# Altium PCB SEG_pressure gauge_don  V2.3.PcbDoc (part 3 of 4) (continued)
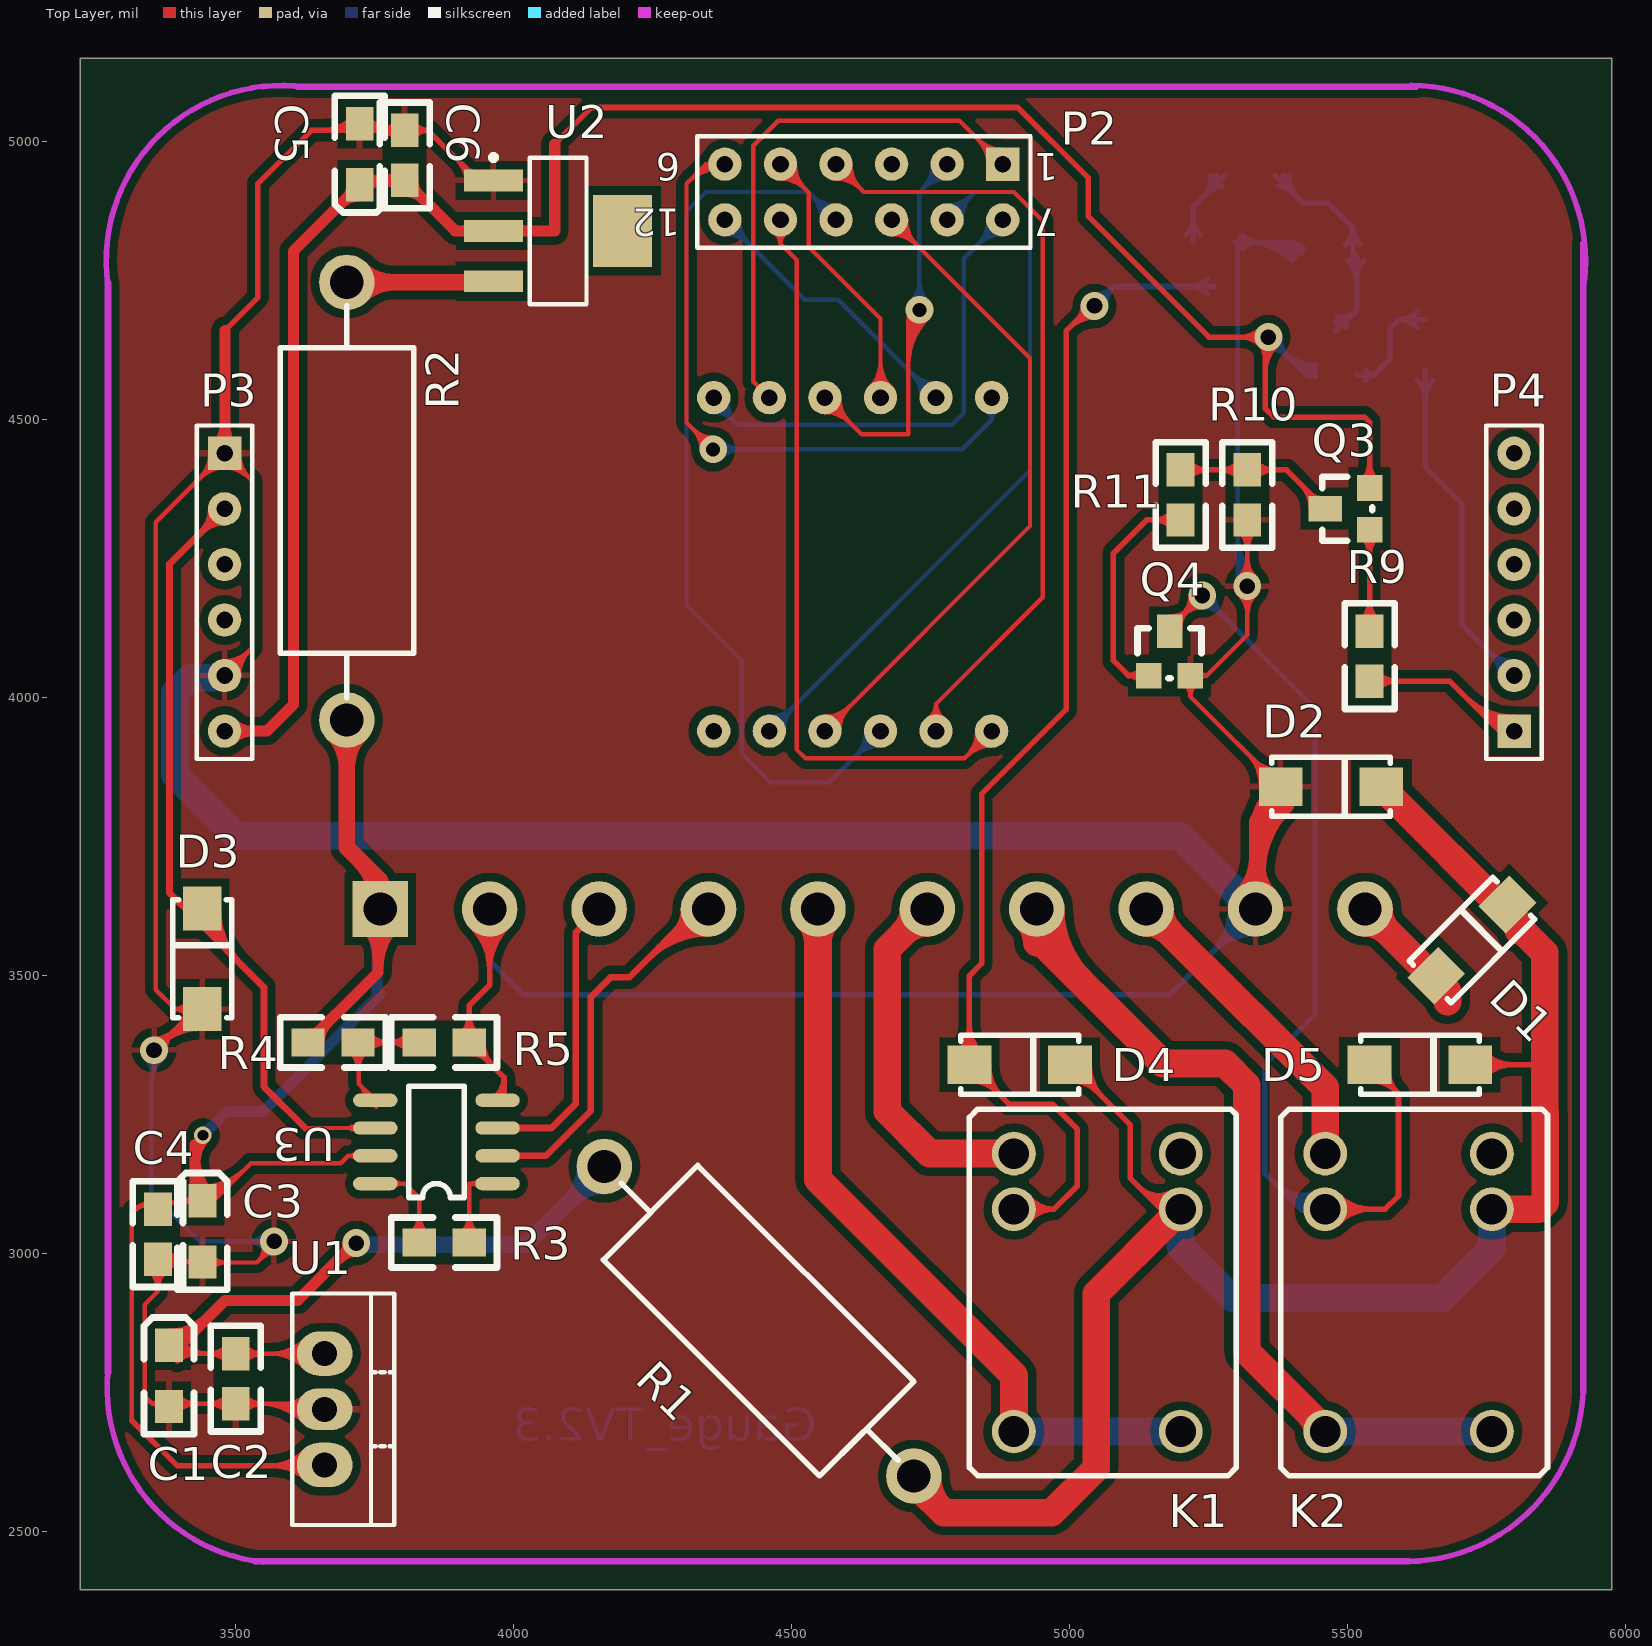
[diagram p0: Top Layer view]
## Nets (pads, with @x,y where several pads share a name; then routed paths per layer and width w, separated by ;. In a path a pad name is that pad's centre, name@x,y a point inside that pad or via, vN(x,y) a via of type N, cw(c..) or ccw(c..) an arc to the next point about the centre after c; other vN are vias at no path point) (continued)
NetR3_2: R3.2 U3.8 | length 966.1
  Top Layer w8: U3.8@3751,3126 3804,3126 3830,3100 R3.2@3830,3020 ; U3.8@3784.66,3120.34 cw(c3798.31,3106.69) 3798.31,3126 ; U3.8@3784.66,3120.34 cw(c3798.31,3106.69) 3798.31,3126 ; U3.8@3784.66,3120.34 cw(c3798.31,3106.69) 3798.31,3126 ; U3.8@3784.66,3120.34 cw(c3798.31,3106.69) 3798.31,3126 ; U3.8@3784.66,3120.34 cw(c3798.31,3106.69) 3798.31,3126 ; U3.8@3784.66,3131.66 ccw(c3798.31,3145.31) 3798.31,3126 ; U3.8@3784.66,3131.66 ccw(c3798.31,3145.31) 3798.31,3126 ; U3.8@3784.66,3131.66 ccw(c3798.31,3145.31) 3798.31,3126 ; U3.8@3784.66,3131.66 ccw(c3798.31,3145.31) 3798.31,3126 ; U3.8@3784.66,3131.66 ccw(c3798.31,3145.31) 3798.31,3126 ; R3.2@3815.15,3034.85 ccw(c3779.3,3070.7) 3830,3070.7 ; R3.2@3815.15,3034.85 ccw(c3779.3,3070.7) 3830,3070.7 ; R3.2@3815.15,3034.85 ccw(c3779.3,3070.7) 3830,3070.7 ; R3.2@3815.15,3034.85 ccw(c3779.3,3070.7) 3830,3070.7 ; R3.2@3815.15,3034.85 ccw(c3779.3,3070.7) 3830,3070.7 ; R3.2@3820.81,3029.19 ccw(c3798.62,3051.38) 3830,3051.38 ; R3.2@3820.81,3029.19 ccw(c3798.62,3051.38) 3830,3051.38 ; R3.2@3820.81,3029.19 ccw(c3798.62,3051.38) 3830,3051.38 ; R3.2@3820.81,3029.19 ccw(c3798.62,3051.38) 3830,3051.38 ; R3.2@3820.81,3029.19 ccw(c3798.62,3051.38) 3830,3051.38 ; 3830,3051.38 ccw(c3861.38,3051.38) R3.2@3839.19,3029.19 ; 3830,3051.38 ccw(c3861.38,3051.38) R3.2@3839.19,3029.19 ; 3830,3051.38 ccw(c3861.38,3051.38) R3.2@3839.19,3029.19 ; 3830,3051.38 ccw(c3861.38,3051.38) R3.2@3839.19,3029.19 ; 3830,3051.38 ccw(c3861.38,3051.38) R3.2@3839.19,3029.19 ; 3830,3070.7 ccw(c3880.7,3070.7) R3.2@3844.85,3034.85 ; 3830,3070.7 ccw(c3880.7,3070.7) R3.2@3844.85,3034.85 ; 3830,3070.7 ccw(c3880.7,3070.7) R3.2@3844.85,3034.85 ; 3830,3070.7 ccw(c3880.7,3070.7) R3.2@3844.85,3034.85 ; 3830,3070.7 ccw(c3880.7,3070.7) R3.2@3844.85,3034.85
NetR4_1: R4.1 R5.2 U3.5 | length 2139.1
  Top Layer w8: U3.5@3751,3276 3721,3306 3721,3379 R4.1@3720,3380 R5.2@3830,3380 ; R4.1@3705.15,3365.15 cw(c3666.89,3326.89) 3721,3326.89 ; R4.1@3705.15,3365.15 cw(c3666.89,3326.89) 3721,3326.89 ; R4.1@3705.15,3365.15 cw(c3666.89,3326.89) 3721,3326.89 ; R4.1@3705.15,3365.15 cw(c3666.89,3326.89) 3721,3326.89 ; R4.1@3710.81,3370.81 cw(c3686.2,3346.2) 3721,3346.2 ; R4.1@3710.81,3370.81 cw(c3686.2,3346.2) 3721,3346.2 ; R4.1@3710.81,3370.81 cw(c3686.2,3346.2) 3721,3346.2 ; R4.1@3710.81,3370.81 cw(c3686.2,3346.2) 3721,3346.2 ; 3721,3331.72 cw(c3768.28,3331.72) R4.1@3734.85,3365.15 ; 3721,3331.72 cw(c3768.28,3331.72) R4.1@3734.85,3365.15 ; 3721,3331.72 cw(c3768.28,3331.72) R4.1@3734.85,3365.15 ; 3721,3331.72 cw(c3768.28,3331.72) R4.1@3734.85,3365.15 ; 3721,3351.03 cw(c3748.97,3351.03) R4.1@3729.19,3370.81 ; 3721,3351.03 cw(c3748.97,3351.03) R4.1@3729.19,3370.81 ; 3721,3351.03 cw(c3748.97,3351.03) R4.1@3729.19,3370.81 ; 3721,3351.03 cw(c3748.97,3351.03) R4.1@3729.19,3370.81 ; 3724.27,3302.73 cw(c3704.72,3283.19) U3.5@3730.44,3273.07 ; 3724.27,3302.73 cw(c3704.72,3283.19) U3.5@3730.44,3273.07 ; 3724.27,3302.73 cw(c3704.72,3283.19) U3.5@3730.44,3273.07 ; 3724.27,3302.73 cw(c3704.72,3283.19) U3.5@3730.44,3273.07 ; 3732.9,3294.1 cw(c3717.12,3278.31) U3.5@3737.89,3270.14 ; 3732.9,3294.1 cw(c3717.12,3278.31) U3.5@3737.89,3270.14 ; 3732.9,3294.1 cw(c3717.12,3278.31) U3.5@3737.89,3270.14 ; 3732.9,3294.1 cw(c3717.12,3278.31) U3.5@3737.89,3270.14 ; R4.1@3734.19,3370.81 cw(c3756.38,3348.62) 3756.38,3380 ; R4.1@3734.19,3370.81 cw(c3756.38,3348.62) 3756.38,3380 ; R4.1@3734.19,3370.81 cw(c3756.38,3348.62) 3756.38,3380 ; R4.1@3734.19,3370.81 cw(c3756.38,3348.62) 3756.38,3380 ; R4.1@3734.19,3389.19 ccw(c3756.38,3411.38) 3756.38,3380 ; R4.1@3734.19,3389.19 ccw(c3756.38,3411.38) 3756.38,3380 ; R4.1@3734.19,3389.19 ccw(c3756.38,3411.38) 3756.38,3380 ; R4.1@3734.19,3389.19 ccw(c3756.38,3411.38) 3756.38,3380 ; R4.1@3739.85,3365.15 cw(c3775.7,3329.3) 3775.7,3380 ; R4.1@3739.85,3365.15 cw(c3775.7,3329.3) 3775.7,3380 ; R4.1@3739.85,3365.15 cw(c3775.7,3329.3) 3775.7,3380 ; R4.1@3739.85,3365.15 cw(c3775.7,3329.3) 3775.7,3380 ; R4.1@3739.85,3394.85 ccw(c3775.7,3430.7) 3775.7,3380 ; R4.1@3739.85,3394.85 ccw(c3775.7,3430.7) 3775.7,3380 ; R4.1@3739.85,3394.85 ccw(c3775.7,3430.7) 3775.7,3380 ; R4.1@3739.85,3394.85 ccw(c3775.7,3430.7) 3775.7,3380 ; U3.5@3741.53,3285.47 cw(c3729.51,3273.44) U3.5@3745.33,3267.22 ; U3.5@3741.53,3285.47 cw(c3729.51,3273.44) U3.5@3745.33,3267.22 ; U3.5@3741.53,3285.47 cw(c3729.51,3273.44) U3.5@3745.33,3267.22 ; U3.5@3741.53,3285.47 cw(c3729.51,3273.44) U3.5@3745.33,3267.22 ; U3.5@3750.17,3276.83 cw(c3741.9,3268.57) U3.5@3752.78,3264.29 ; U3.5@3750.17,3276.83 cw(c3741.9,3268.57) U3.5@3752.78,3264.29 ; U3.5@3750.17,3276.83 cw(c3741.9,3268.57) U3.5@3752.78,3264.29 ; U3.5@3750.17,3276.83 cw(c3741.9,3268.57) U3.5@3752.78,3264.29 ; 3774.3,3380 cw(c3774.3,3329.3) R5.2@3810.15,3365.15 ; 3774.3,3380 ccw(c3774.3,3430.7) R5.2@3810.15,3394.85 ; 3774.3,3380 cw(c3774.3,3329.3) R5.2@3810.15,3365.15 ; 3774.3,3380 ccw(c3774.3,3430.7) R5.2@3810.15,3394.85 ; 3774.3,3380 cw(c3774.3,3329.3) R5.2@3810.15,3365.15 ; 3774.3,3380 ccw(c3774.3,3430.7) R5.2@3810.15,3394.85 ; 3774.3,3380 ccw(c3774.3,3430.7) R5.2@3810.15,3394.85 ; 3774.3,3380 cw(c3774.3,3329.3) R5.2@3810.15,3365.15 ; 3793.62,3380 cw(c3793.62,3348.62) R5.2@3815.81,3370.81 ; 3793.62,3380 ccw(c3793.62,3411.38) R5.2@3815.81,3389.19 ; 3793.62,3380 cw(c3793.62,3348.62) R5.2@3815.81,3370.81 ; 3793.62,3380 ccw(c3793.62,3411.38) R5.2@3815.81,3389.19 ; 3793.62,3380 cw(c3793.62,3348.62) R5.2@3815.81,3370.81 ; 3793.62,3380 ccw(c3793.62,3411.38) R5.2@3815.81,3389.19 ; 3793.62,3380 ccw(c3793.62,3411.38) R5.2@3815.81,3389.19 ; 3793.62,3380 cw(c3793.62,3348.62) R5.2@3815.81,3370.81
OUT_A1: K1.1 P1.5 | length 1670.5
  Top Layer w50: P1.5@4547.4,3620 4547.4,3430 4547.4,3133.6 4900,2781 K1.1@4900,2680 ; P1.5@4529.72,3602.32 cw(c4487.05,3559.64) 4547.4,3559.64 ; P1.5@4529.72,3602.32 cw(c4487.05,3559.64) 4547.4,3559.64 ; P1.5@4529.72,3602.32 cw(c4487.05,3559.64) 4547.4,3559.64 ; 4547.4,3559.64 cw(c4607.76,3559.64) P1.5@4565.08,3602.32 ; 4547.4,3559.64 cw(c4607.76,3559.64) P1.5@4565.08,3602.32 ; 4547.4,3559.64 cw(c4607.76,3559.64) P1.5@4565.08,3602.32
  Bottom Layer w50: K1.1@4900,2680 K1.1@5200,2680
OUT_A2: K2.1 P1.7 | length 2241.9
  Top Layer w50: P1.7@4941.1,3620 4941.1,3568.9 5143,3367 5168,3342 5280,3342 5319,3303 5319,2824 5460,2683 K2.1@5460,2680 ; 4941.1,3559.64 cw(c5001.46,3559.64) 4958.78,3602.32 ccw(c5001.46,3559.64) 4941.1,3559.64 ; 4941.1,3559.64 ccw(c4880.75,3559.64) 4923.42,3602.32 cw(c4880.75,3559.64) 4941.1,3559.64 ; P1.7@4966.1,3620 ccw(c5149.83,3620) 5019.91,3490.09 ; P1.7@4966.1,3620 ccw(c5149.83,3620) 5019.91,3490.09 ; P1.7@4966.1,3620 ccw(c5149.83,3620) 5019.91,3490.09 ; 5433.35,2709.65 cw(c5403.69,2680) K2.1@5445.63,2680 ; 5433.35,2709.65 cw(c5403.69,2680) K2.1@5445.63,2680 ; 5433.35,2709.65 cw(c5403.69,2680) K2.1@5445.63,2680
  Bottom Layer w50: K2.1@5460,2680 K2.1@5760,2680
OUT_B1: K1.3 P1.6 | length 937.8
  Top Layer w50: P1.6@4744.25,3620 4672,3547.75 4672,3256 4748,3180 K1.3@4900,3180 ; 4701.57,3577.32 cw(c4744.25,3534.64) P1.6@4744.25,3595 ; 4701.57,3577.32 ccw(c4658.9,3620) P1.6@4719.25,3620 ; 4701.57,3577.32 cw(c4744.25,3534.64) P1.6@4744.25,3595 ; 4701.57,3577.32 ccw(c4658.9,3620) P1.6@4719.25,3620 ; 4701.57,3577.32 ccw(c4658.9,3620) P1.6@4719.25,3620 ; 4701.57,3577.32 cw(c4744.25,3534.64) P1.6@4744.25,3595
OUT_B2: K2.3 P1.8 | length 1963.4
  Top Layer w30: P1.8@5137.95,3620 5327.95,3430 ; P1.8@5137.95,3585 cw(c5137.95,3500.5) 5197.7,3560.25 ; P1.8@5137.95,3585 cw(c5137.95,3500.5) 5197.7,3560.25 ; P1.8@5137.95,3585 cw(c5137.95,3500.5) 5197.7,3560.25 ; P1.8@5137.95,3585 cw(c5137.95,3500.5) 5197.7,3560.25 ; P1.8@5137.95,3585 cw(c5137.95,3500.5) 5197.7,3560.25 ; P1.8@5172.95,3620 ccw(c5257.45,3620) 5197.7,3560.25 ; P1.8@5172.95,3620 ccw(c5257.45,3620) 5197.7,3560.25 ; P1.8@5172.95,3620 ccw(c5257.45,3620) 5197.7,3560.25 ; P1.8@5172.95,3620 ccw(c5257.45,3620) 5197.7,3560.25 ; P1.8@5172.95,3620 ccw(c5257.45,3620) 5197.7,3560.25
  Top Layer w50: P1.8@5149.98,3607.98 5327.95,3430 5329,3430 5460,3299 K2.3@5460,3180 ; P1.8@5137.95,3595 cw(c5137.95,3534.64) 5180.63,3577.32 ; P1.8@5137.95,3595 cw(c5137.95,3534.64) 5180.63,3577.32 ; P1.8@5137.95,3595 cw(c5137.95,3534.64) 5180.63,3577.32 ; P1.8@5137.95,3595 cw(c5137.95,3534.64) 5180.63,3577.32 ; P1.8@5137.95,3595 cw(c5137.95,3534.64) 5180.63,3577.32 ; P1.8@5162.95,3620 ccw(c5223.31,3620) 5180.63,3577.32 ; P1.8@5162.95,3620 ccw(c5223.31,3620) 5180.63,3577.32 ; P1.8@5162.95,3620 ccw(c5223.31,3620) 5180.63,3577.32 ; P1.8@5162.95,3620 ccw(c5223.31,3620) 5180.63,3577.32 ; P1.8@5162.95,3620 ccw(c5223.31,3620) 5180.63,3577.32
PWM: P3.4
RX: P4.5
SEG1: P2.12 U4.a | length 2181.1
  Bottom Layer w8: P2.12@4380,4860 4524,4716 4584,4716 U4.a@4760,4540 ; P2.12@4380,4834 cw(c4380,4771.23) 4424.38,4815.62 ; P2.12@4380,4834 cw(c4380,4771.23) 4424.38,4815.62 ; P2.12@4380,4834 cw(c4380,4771.23) 4424.38,4815.62 ; P2.12@4380,4834 cw(c4380,4771.23) 4424.38,4815.62 ; P2.12@4380,4834 cw(c4380,4771.23) 4424.38,4815.62 ; P2.12@4380,4842 cw(c4380,4798.54) 4410.73,4829.27 ; P2.12@4380,4842 cw(c4380,4798.54) 4410.73,4829.27 ; P2.12@4380,4842 cw(c4380,4798.54) 4410.73,4829.27 ; P2.12@4380,4842 cw(c4380,4798.54) 4410.73,4829.27 ; P2.12@4380,4842 cw(c4380,4798.54) 4410.73,4829.27 ; P2.12@4398,4860 ccw(c4441.46,4860) 4410.73,4829.27 ; P2.12@4398,4860 ccw(c4441.46,4860) 4410.73,4829.27 ; P2.12@4398,4860 ccw(c4441.46,4860) 4410.73,4829.27 ; P2.12@4398,4860 ccw(c4441.46,4860) 4410.73,4829.27 ; P2.12@4398,4860 ccw(c4441.46,4860) 4410.73,4829.27 ; P2.12@4406,4860 ccw(c4468.77,4860) 4424.38,4815.62 ; P2.12@4406,4860 ccw(c4468.77,4860) 4424.38,4815.62 ; P2.12@4406,4860 ccw(c4468.77,4860) 4424.38,4815.62 ; P2.12@4406,4860 ccw(c4468.77,4860) 4424.38,4815.62 ; P2.12@4406,4860 ccw(c4468.77,4860) 4424.38,4815.62 ; 4715.62,4584.38 cw(c4671.23,4540) U4.a@4734,4540 ; 4715.62,4584.38 ccw(c4760,4628.77) U4.a@4760,4566 ; 4715.62,4584.38 cw(c4671.23,4540) U4.a@4734,4540 ; 4715.62,4584.38 ccw(c4760,4628.77) U4.a@4760,4566 ; 4715.62,4584.38 cw(c4671.23,4540) U4.a@4734,4540 ; 4715.62,4584.38 ccw(c4760,4628.77) U4.a@4760,4566 ; 4715.62,4584.38 ccw(c4760,4628.77) U4.a@4760,4566 ; 4715.62,4584.38 cw(c4671.23,4540) U4.a@4734,4540 ; 4715.62,4584.38 ccw(c4760,4628.77) U4.a@4760,4566 ; 4715.62,4584.38 cw(c4671.23,4540) U4.a@4734,4540 ; 4729.27,4570.73 cw(c4698.54,4540) U4.a@4742,4540 ; 4729.27,4570.73 ccw(c4760,4601.46) U4.a@4760,4558 ; 4729.27,4570.73 cw(c4698.54,4540) U4.a@4742,4540 ; 4729.27,4570.73 ccw(c4760,4601.46) U4.a@4760,4558 ; 4729.27,4570.73 cw(c4698.54,4540) U4.a@4742,4540 ; 4729.27,4570.73 ccw(c4760,4601.46) U4.a@4760,4558 ; 4729.27,4570.73 ccw(c4760,4601.46) U4.a@4760,4558 ; 4729.27,4570.73 cw(c4698.54,4540) U4.a@4742,4540 ; 4729.27,4570.73 ccw(c4760,4601.46) U4.a@4760,4558 ; 4729.27,4570.73 cw(c4698.54,4540) U4.a@4742,4540
SEG2: P2.7 U4.b | length 2404.6
  Bottom Layer w8: U4.b@4360,4540 4360,4534 4403,4491 4788.5,4491 4810,4512.5 4810,4790 P2.7@4880,4860 ; U4.b@4360,4514 cw(c4360,4465.72) 4394.14,4499.86 ; U4.b@4360,4514 cw(c4360,4465.72) 4394.14,4499.86 ; U4.b@4360,4514 cw(c4360,4465.72) 4394.14,4499.86 ; U4.b@4360,4514 cw(c4360,4465.72) 4394.14,4499.86 ; U4.b@4360,4514 cw(c4360,4465.72) 4394.14,4499.86 ; U4.b@4360,4522 cw(c4360,4493.03) 4380.49,4513.51 ; U4.b@4360,4522 cw(c4360,4493.03) 4380.49,4513.51 ; U4.b@4360,4522 cw(c4360,4493.03) 4380.49,4513.51 ; U4.b@4360,4522 cw(c4360,4493.03) 4380.49,4513.51 ; U4.b@4360,4522 cw(c4360,4493.03) 4380.49,4513.51 ; U4.b@4377.83,4537.53 ccw(c4415.55,4532.31) 4388.62,4505.38 ; U4.b@4377.83,4537.53 ccw(c4415.55,4532.31) 4388.62,4505.38 ; U4.b@4377.83,4537.53 ccw(c4415.55,4532.31) 4388.62,4505.38 ; U4.b@4377.83,4537.53 ccw(c4415.55,4532.31) 4388.62,4505.38 ; U4.b@4377.83,4537.53 ccw(c4415.55,4532.31) 4388.62,4505.38 ; U4.b@4385.75,4536.43 ccw(c4435.53,4529.54) 4400,4494 ; U4.b@4385.75,4536.43 ccw(c4435.53,4529.54) 4400,4494 ; U4.b@4385.75,4536.43 ccw(c4435.53,4529.54) 4400,4494 ; U4.b@4385.75,4536.43 ccw(c4435.53,4529.54) 4400,4494 ; U4.b@4385.75,4536.43 ccw(c4435.53,4529.54) 4400,4494 ; 4835.62,4815.62 cw(c4880,4771.23) P2.7@4880,4834 ; 4835.62,4815.62 ccw(c4791.23,4860) P2.7@4854,4860 ; 4835.62,4815.62 cw(c4880,4771.23) P2.7@4880,4834 ; 4835.62,4815.62 ccw(c4791.23,4860) P2.7@4854,4860 ; 4835.62,4815.62 cw(c4880,4771.23) P2.7@4880,4834 ; 4835.62,4815.62 ccw(c4791.23,4860) P2.7@4854,4860 ; 4835.62,4815.62 ccw(c4791.23,4860) P2.7@4854,4860 ; 4835.62,4815.62 cw(c4880,4771.23) P2.7@4880,4834 ; 4835.62,4815.62 ccw(c4791.23,4860) P2.7@4854,4860 ; 4835.62,4815.62 cw(c4880,4771.23) P2.7@4880,4834 ; 4849.27,4829.27 cw(c4880,4798.54) P2.7@4880,4842 ; 4849.27,4829.27 ccw(c4818.54,4860) P2.7@4862,4860 ; 4849.27,4829.27 cw(c4880,4798.54) P2.7@4880,4842 ; 4849.27,4829.27 ccw(c4818.54,4860) P2.7@4862,4860 ; 4849.27,4829.27 cw(c4880,4798.54) P2.7@4880,4842 ; 4849.27,4829.27 ccw(c4818.54,4860) P2.7@4862,4860 ; 4849.27,4829.27 ccw(c4818.54,4860) P2.7@4862,4860 ; 4849.27,4829.27 cw(c4880,4798.54) P2.7@4880,4842 ; 4849.27,4829.27 ccw(c4818.54,4860) P2.7@4862,4860 ; 4849.27,4829.27 cw(c4880,4798.54) P2.7@4880,4842
SEG3: P2.9 U4.c | length 2844.6
  Top Layer w8: U4.c@4560,3940 4929,4309 4929,4611 P2.9@4680,4860 ; U4.c@4560,3958 ccw(c4560,4001.46) 4590.73,3970.73 ; U4.c@4560,3958 ccw(c4560,4001.46) 4590.73,3970.73 ; U4.c@4560,3958 ccw(c4560,4001.46) 4590.73,3970.73 ; U4.c@4560,3958 ccw(c4560,4001.46) 4590.73,3970.73 ; U4.c@4560,3958 ccw(c4560,4001.46) 4590.73,3970.73 ; U4.c@4560,3966 ccw(c4560,4028.77) 4604.38,3984.38 ; U4.c@4560,3966 ccw(c4560,4028.77) 4604.38,3984.38 ; U4.c@4560,3966 ccw(c4560,4028.77) 4604.38,3984.38 ; U4.c@4560,3966 ccw(c4560,4028.77) 4604.38,3984.38 ; U4.c@4560,3966 ccw(c4560,4028.77) 4604.38,3984.38 ; U4.c@4578,3940 cw(c4621.46,3940) 4590.73,3970.73 ; U4.c@4578,3940 cw(c4621.46,3940) 4590.73,3970.73 ; U4.c@4578,3940 cw(c4621.46,3940) 4590.73,3970.73 ; U4.c@4578,3940 cw(c4621.46,3940) 4590.73,3970.73 ; U4.c@4578,3940 cw(c4621.46,3940) 4590.73,3970.73 ; U4.c@4586,3940 cw(c4648.77,3940) 4604.38,3984.38 ; U4.c@4586,3940 cw(c4648.77,3940) 4604.38,3984.38 ; U4.c@4586,3940 cw(c4648.77,3940) 4604.38,3984.38 ; U4.c@4586,3940 cw(c4648.77,3940) 4604.38,3984.38 ; U4.c@4586,3940 cw(c4648.77,3940) 4604.38,3984.38 ; P2.9@4680,4834 cw(c4680,4771.23) 4724.38,4815.62 ; P2.9@4680,4834 cw(c4680,4771.23) 4724.38,4815.62 ; P2.9@4680,4834 cw(c4680,4771.23) 4724.38,4815.62 ; P2.9@4680,4834 cw(c4680,4771.23) 4724.38,4815.62 ; P2.9@4680,4834 cw(c4680,4771.23) 4724.38,4815.62 ; P2.9@4680,4842 cw(c4680,4798.54) 4710.73,4829.27 ; P2.9@4680,4842 cw(c4680,4798.54) 4710.73,4829.27 ; P2.9@4680,4842 cw(c4680,4798.54) 4710.73,4829.27 ; P2.9@4680,4842 cw(c4680,4798.54) 4710.73,4829.27 ; P2.9@4680,4842 cw(c4680,4798.54) 4710.73,4829.27 ; P2.9@4698,4860 ccw(c4741.46,4860) 4710.73,4829.27 ; P2.9@4698,4860 ccw(c4741.46,4860) 4710.73,4829.27 ; P2.9@4698,4860 ccw(c4741.46,4860) 4710.73,4829.27 ; P2.9@4698,4860 ccw(c4741.46,4860) 4710.73,4829.27 ; P2.9@4698,4860 ccw(c4741.46,4860) 4710.73,4829.27 ; P2.9@4706,4860 ccw(c4768.77,4860) 4724.38,4815.62 ; P2.9@4706,4860 ccw(c4768.77,4860) 4724.38,4815.62 ; P2.9@4706,4860 ccw(c4768.77,4860) 4724.38,4815.62 ; P2.9@4706,4860 ccw(c4768.77,4860) 4724.38,4815.62 ; P2.9@4706,4860 ccw(c4768.77,4860) 4724.38,4815.62
SEG4: P2.4 U4.d | length 2793.8
  Top Layer w8: P2.4@4580,4960 4630,4910 4900,4910 4952,4858 4952,4181 4760,3989 ; U4.d@4760,3940 4760,3989 ; P2.4@4580,4934 cw(c4580,4871.23) 4624.38,4915.62 ; P2.4@4580,4934 cw(c4580,4871.23) 4624.38,4915.62 ; P2.4@4580,4934 cw(c4580,4871.23) 4624.38,4915.62 ; P2.4@4580,4934 cw(c4580,4871.23) 4624.38,4915.62 ; P2.4@4580,4934 cw(c4580,4871.23) 4624.38,4915.62 ; P2.4@4580,4942 cw(c4580,4898.54) 4610.73,4929.27 ; P2.4@4580,4942 cw(c4580,4898.54) 4610.73,4929.27 ; P2.4@4580,4942 cw(c4580,4898.54) 4610.73,4929.27 ; P2.4@4580,4942 cw(c4580,4898.54) 4610.73,4929.27 ; P2.4@4580,4942 cw(c4580,4898.54) 4610.73,4929.27 ; P2.4@4598,4960 ccw(c4641.46,4960) 4610.73,4929.27 ; P2.4@4598,4960 ccw(c4641.46,4960) 4610.73,4929.27 ; P2.4@4598,4960 ccw(c4641.46,4960) 4610.73,4929.27 ; P2.4@4598,4960 ccw(c4641.46,4960) 4610.73,4929.27 ; P2.4@4598,4960 ccw(c4641.46,4960) 4610.73,4929.27 ; P2.4@4606,4960 ccw(c4668.77,4960) 4624.38,4915.62 ; P2.4@4606,4960 ccw(c4668.77,4960) 4624.38,4915.62 ; P2.4@4606,4960 ccw(c4668.77,4960) 4624.38,4915.62 ; P2.4@4606,4960 ccw(c4668.77,4960) 4624.38,4915.62 ; P2.4@4606,4960 ccw(c4668.77,4960) 4624.38,4915.62 ; U4.d@4745.42,3961.53 ccw(c4726.83,3989) 4760,3989 ; U4.d@4745.42,3961.53 ccw(c4726.83,3989) 4760,3989 ; U4.d@4745.42,3961.53 ccw(c4726.83,3989) 4760,3989 ; U4.d@4745.42,3961.53 ccw(c4726.83,3989) 4760,3989 ; U4.d@4745.42,3961.53 ccw(c4726.83,3989) 4760,3989 ; U4.d@4749.91,3954.91 ccw(c4737.04,3973.92) 4760,3973.92 ; U4.d@4749.91,3954.91 ccw(c4737.04,3973.92) 4760,3973.92 ; U4.d@4749.91,3954.91 ccw(c4737.04,3973.92) 4760,3973.92 ; U4.d@4749.91,3954.91 ccw(c4737.04,3973.92) 4760,3973.92 ; U4.d@4749.91,3954.91 ccw(c4737.04,3973.92) 4760,3973.92 ; 4760,3973.92 ccw(c4782.96,3973.92) U4.d@4770.09,3954.91 ; 4760,3973.92 ccw(c4782.96,3973.92) U4.d@4770.09,3954.91 ; 4760,3973.92 ccw(c4782.96,3973.92) U4.d@4770.09,3954.91 ; 4760,3973.92 ccw(c4782.96,3973.92) U4.d@4770.09,3954.91 ; 4760,3973.92 ccw(c4782.96,3973.92) U4.d@4770.09,3954.91 ; 4760,3989 ccw(c4793.17,3989) U4.d@4774.58,3961.53 ; 4760,3989 ccw(c4793.17,3989) U4.d@4774.58,3961.53 ; 4760,3989 ccw(c4793.17,3989) U4.d@4774.58,3961.53 ; 4760,3989 ccw(c4793.17,3989) U4.d@4774.58,3961.53 ; 4760,3989 ccw(c4793.17,3989) U4.d@4774.58,3961.53
SEG5: P2.11 U4.e | length 2422.6
  Top Layer w8: P2.11@4480,4860 4480,4817 ; U4.e@4860,3940 4811,3891 4525,3891 4509,3907 4509,4788 4480,4817 ; P2.11@4467.92,4836.98 cw(c4457.45,4817) 4480,4817 ; P2.11@4467.92,4836.98 cw(c4457.45,4817) 4480,4817 ; P2.11@4467.92,4836.98 cw(c4457.45,4817) 4480,4817 ; P2.11@4467.92,4836.98 cw(c4457.45,4817) 4480,4817 ; P2.11@4467.92,4836.98 cw(c4457.45,4817) 4480,4817 ; 4480,4817 cw(c4502.55,4817) P2.11@4492.08,4836.98 ; 4480,4817 cw(c4502.55,4817) P2.11@4492.08,4836.98 ; 4480,4817 cw(c4502.55,4817) P2.11@4492.08,4836.98 ; 4480,4817 cw(c4502.55,4817) P2.11@4492.08,4836.98 ; 4480,4817 cw(c4502.55,4817) P2.11@4492.08,4836.98 ; 4815.62,3895.62 cw(c4860,3851.23) U4.e@4860,3914 ; 4815.62,3895.62 ccw(c4771.23,3940) U4.e@4834,3940 ; 4815.62,3895.62 cw(c4860,3851.23) U4.e@4860,3914 ; 4815.62,3895.62 ccw(c4771.23,3940) U4.e@4834,3940 ; 4815.62,3895.62 cw(c4860,3851.23) U4.e@4860,3914 ; 4815.62,3895.62 ccw(c4771.23,3940) U4.e@4834,3940 ; 4815.62,3895.62 ccw(c4771.23,3940) U4.e@4834,3940 ; 4815.62,3895.62 cw(c4860,3851.23) U4.e@4860,3914 ; 4815.62,3895.62 ccw(c4771.23,3940) U4.e@4834,3940 ; 4815.62,3895.62 cw(c4860,3851.23) U4.e@4860,3914 ; 4829.27,3909.27 cw(c4860,3878.54) U4.e@4860,3922 ; 4829.27,3909.27 ccw(c4798.54,3940) U4.e@4842,3940 ; 4829.27,3909.27 cw(c4860,3878.54) U4.e@4860,3922 ; 4829.27,3909.27 ccw(c4798.54,3940) U4.e@4842,3940 ; 4829.27,3909.27 cw(c4860,3878.54) U4.e@4860,3922 ; 4829.27,3909.27 ccw(c4798.54,3940) U4.e@4842,3940 ; 4829.27,3909.27 ccw(c4798.54,3940) U4.e@4842,3940 ; 4829.27,3909.27 cw(c4860,3878.54) U4.e@4860,3922 ; 4829.27,3909.27 ccw(c4798.54,3940) U4.e@4842,3940 ; 4829.27,3909.27 cw(c4860,3878.54) U4.e@4860,3922
SEG6: P2.5 U4.f | length 2163.1
  Top Layer w8: P2.5@4480,4960 4531,4909 4531,4811 4660,4682 U4.f@4660,4540 ; P2.5@4480,4934 cw(c4480,4871.23) 4524.38,4915.62 ; P2.5@4480,4934 cw(c4480,4871.23) 4524.38,4915.62 ; P2.5@4480,4934 cw(c4480,4871.23) 4524.38,4915.62 ; P2.5@4480,4934 cw(c4480,4871.23) 4524.38,4915.62 ; P2.5@4480,4934 cw(c4480,4871.23) 4524.38,4915.62 ; P2.5@4480,4942 cw(c4480,4898.54) 4510.73,4929.27 ; P2.5@4480,4942 cw(c4480,4898.54) 4510.73,4929.27 ; P2.5@4480,4942 cw(c4480,4898.54) 4510.73,4929.27 ; P2.5@4480,4942 cw(c4480,4898.54) 4510.73,4929.27 ; P2.5@4480,4942 cw(c4480,4898.54) 4510.73,4929.27 ; P2.5@4498,4960 ccw(c4541.46,4960) 4510.73,4929.27 ; P2.5@4498,4960 ccw(c4541.46,4960) 4510.73,4929.27 ; P2.5@4498,4960 ccw(c4541.46,4960) 4510.73,4929.27 ; P2.5@4498,4960 ccw(c4541.46,4960) 4510.73,4929.27 ; P2.5@4498,4960 ccw(c4541.46,4960) 4510.73,4929.27 ; P2.5@4506,4960 ccw(c4568.77,4960) 4524.38,4915.62 ; P2.5@4506,4960 ccw(c4568.77,4960) 4524.38,4915.62 ; P2.5@4506,4960 ccw(c4568.77,4960) 4524.38,4915.62 ; P2.5@4506,4960 ccw(c4568.77,4960) 4524.38,4915.62 ; P2.5@4506,4960 ccw(c4568.77,4960) 4524.38,4915.62 ; U4.f@4641.62,4558.38 ccw(c4597.23,4602.77) 4660,4602.77 ; U4.f@4641.62,4558.38 ccw(c4597.23,4602.77) 4660,4602.77 ; U4.f@4641.62,4558.38 ccw(c4597.23,4602.77) 4660,4602.77 ; U4.f@4641.62,4558.38 ccw(c4597.23,4602.77) 4660,4602.77 ; U4.f@4641.62,4558.38 ccw(c4597.23,4602.77) 4660,4602.77 ; U4.f@4647.27,4552.73 ccw(c4616.54,4583.46) 4660,4583.46 ; U4.f@4647.27,4552.73 ccw(c4616.54,4583.46) 4660,4583.46 ; U4.f@4647.27,4552.73 ccw(c4616.54,4583.46) 4660,4583.46 ; U4.f@4647.27,4552.73 ccw(c4616.54,4583.46) 4660,4583.46 ; U4.f@4647.27,4552.73 ccw(c4616.54,4583.46) 4660,4583.46 ; 4660,4583.46 ccw(c4703.46,4583.46) U4.f@4672.73,4552.73 ; 4660,4583.46 ccw(c4703.46,4583.46) U4.f@4672.73,4552.73 ; 4660,4583.46 ccw(c4703.46,4583.46) U4.f@4672.73,4552.73 ; 4660,4583.46 ccw(c4703.46,4583.46) U4.f@4672.73,4552.73 ; 4660,4583.46 ccw(c4703.46,4583.46) U4.f@4672.73,4552.73 ; 4660,4602.77 ccw(c4722.77,4602.77) U4.f@4678.38,4558.38 ; 4660,4602.77 ccw(c4722.77,4602.77) U4.f@4678.38,4558.38 ; 4660,4602.77 ccw(c4722.77,4602.77) U4.f@4678.38,4558.38 ; 4660,4602.77 ccw(c4722.77,4602.77) U4.f@4678.38,4558.38 ; 4660,4602.77 ccw(c4722.77,4602.77) U4.f@4678.38,4558.38
SEG7: P2.8 U4.g | length 2985.6
  Bottom Layer w8: U4.g@4460,3940 4929,4409 4929,4881 4900,4910 4830,4910 P2.8@4780,4860 ; U4.g@4460,3958 ccw(c4460,4001.46) 4490.73,3970.73 ; U4.g@4460,3958 ccw(c4460,4001.46) 4490.73,3970.73 ; U4.g@4460,3958 ccw(c4460,4001.46) 4490.73,3970.73 ; U4.g@4460,3958 ccw(c4460,4001.46) 4490.73,3970.73 ; U4.g@4460,3958 ccw(c4460,4001.46) 4490.73,3970.73 ; U4.g@4460,3966 ccw(c4460,4028.77) 4504.38,3984.38 ; U4.g@4460,3966 ccw(c4460,4028.77) 4504.38,3984.38 ; U4.g@4460,3966 ccw(c4460,4028.77) 4504.38,3984.38 ; U4.g@4460,3966 ccw(c4460,4028.77) 4504.38,3984.38 ; U4.g@4460,3966 ccw(c4460,4028.77) 4504.38,3984.38 ; U4.g@4478,3940 cw(c4521.46,3940) 4490.73,3970.73 ; U4.g@4478,3940 cw(c4521.46,3940) 4490.73,3970.73 ; U4.g@4478,3940 cw(c4521.46,3940) 4490.73,3970.73 ; U4.g@4478,3940 cw(c4521.46,3940) 4490.73,3970.73 ; U4.g@4478,3940 cw(c4521.46,3940) 4490.73,3970.73 ; U4.g@4486,3940 cw(c4548.77,3940) 4504.38,3984.38 ; U4.g@4486,3940 cw(c4548.77,3940) 4504.38,3984.38 ; U4.g@4486,3940 cw(c4548.77,3940) 4504.38,3984.38 ; U4.g@4486,3940 cw(c4548.77,3940) 4504.38,3984.38 ; U4.g@4486,3940 cw(c4548.77,3940) 4504.38,3984.38 ; P2.8@4780,4878 ccw(c4780,4921.46) 4810.73,4890.73 ; P2.8@4780,4878 ccw(c4780,4921.46) 4810.73,4890.73 ; P2.8@4780,4878 ccw(c4780,4921.46) 4810.73,4890.73 ; P2.8@4780,4878 ccw(c4780,4921.46) 4810.73,4890.73 ; P2.8@4780,4878 ccw(c4780,4921.46) 4810.73,4890.73 ; P2.8@4780,4886 ccw(c4780,4948.77) 4824.38,4904.38 ; P2.8@4780,4886 ccw(c4780,4948.77) 4824.38,4904.38 ; P2.8@4780,4886 ccw(c4780,4948.77) 4824.38,4904.38 ; P2.8@4780,4886 ccw(c4780,4948.77) 4824.38,4904.38 ; P2.8@4780,4886 ccw(c4780,4948.77) 4824.38,4904.38 ; P2.8@4798,4860 cw(c4841.46,4860) 4810.73,4890.73 ; P2.8@4798,4860 cw(c4841.46,4860) 4810.73,4890.73 ; P2.8@4798,4860 cw(c4841.46,4860) 4810.73,4890.73 ; P2.8@4798,4860 cw(c4841.46,4860) 4810.73,4890.73 ; P2.8@4798,4860 cw(c4841.46,4860) 4810.73,4890.73 ; P2.8@4806,4860 cw(c4868.77,4860) 4824.38,4904.38 ; P2.8@4806,4860 cw(c4868.77,4860) 4824.38,4904.38 ; P2.8@4806,4860 cw(c4868.77,4860) 4824.38,4904.38 ; P2.8@4806,4860 cw(c4868.77,4860) 4824.38,4904.38 ; P2.8@4806,4860 cw(c4868.77,4860) 4824.38,4904.38
SEG8: P2.10 U4.dot | length 3298.4
  Bottom Layer w8: P2.10@4580,4860 4530,4910 4346,4910 4311,4875 4311,4167 4410,4068 4410,3900 4462,3848 4568,3848 U4.dot@4660,3940 ; 4535.62,4904.38 cw(c4491.23,4860) P2.10@4554,4860 ; 4535.62,4904.38 ccw(c4580,4948.77) P2.10@4580,4886 ; 4535.62,4904.38 cw(c4491.23,4860) P2.10@4554,4860 ; 4535.62,4904.38 ccw(c4580,4948.77) P2.10@4580,4886 ; 4535.62,4904.38 cw(c4491.23,4860) P2.10@4554,4860 ; 4535.62,4904.38 ccw(c4580,4948.77) P2.10@4580,4886 ; 4535.62,4904.38 ccw(c4580,4948.77) P2.10@4580,4886 ; 4535.62,4904.38 cw(c4491.23,4860) P2.10@4554,4860 ; 4535.62,4904.38 ccw(c4580,4948.77) P2.10@4580,4886 ; 4535.62,4904.38 cw(c4491.23,4860) P2.10@4554,4860 ; 4549.27,4890.73 cw(c4518.54,4860) P2.10@4562,4860 ; 4549.27,4890.73 ccw(c4580,4921.46) P2.10@4580,4878 ; 4549.27,4890.73 cw(c4518.54,4860) P2.10@4562,4860 ; 4549.27,4890.73 ccw(c4580,4921.46) P2.10@4580,4878 ; 4549.27,4890.73 cw(c4518.54,4860) P2.10@4562,4860 ; 4549.27,4890.73 ccw(c4580,4921.46) P2.10@4580,4878 ; 4549.27,4890.73 ccw(c4580,4921.46) P2.10@4580,4878 ; 4549.27,4890.73 cw(c4518.54,4860) P2.10@4562,4860 ; 4549.27,4890.73 ccw(c4580,4921.46) P2.10@4580,4878 ; 4549.27,4890.73 cw(c4518.54,4860) P2.10@4562,4860 ; 4615.62,3895.62 cw(c4660,3851.23) U4.dot@4660,3914 ; 4615.62,3895.62 ccw(c4571.23,3940) U4.dot@4634,3940 ; 4615.62,3895.62 cw(c4660,3851.23) U4.dot@4660,3914 ; 4615.62,3895.62 ccw(c4571.23,3940) U4.dot@4634,3940 ; 4615.62,3895.62 cw(c4660,3851.23) U4.dot@4660,3914 ; 4615.62,3895.62 ccw(c4571.23,3940) U4.dot@4634,3940 ; 4615.62,3895.62 ccw(c4571.23,3940) U4.dot@4634,3940 ; 4615.62,3895.62 cw(c4660,3851.23) U4.dot@4660,3914 ; 4615.62,3895.62 ccw(c4571.23,3940) U4.dot@4634,3940 ; 4615.62,3895.62 cw(c4660,3851.23) U4.dot@4660,3914 ; 4629.27,3909.27 cw(c4660,3878.54) U4.dot@4660,3922 ; 4629.27,3909.27 ccw(c4598.54,3940) U4.dot@4642,3940 ; 4629.27,3909.27 cw(c4660,3878.54) U4.dot@4660,3922 ; 4629.27,3909.27 ccw(c4598.54,3940) U4.dot@4642,3940 ; 4629.27,3909.27 cw(c4660,3878.54) U4.dot@4660,3922 ; 4629.27,3909.27 ccw(c4598.54,3940) U4.dot@4642,3940 ; 4629.27,3909.27 ccw(c4598.54,3940) U4.dot@4642,3940 ; 4629.27,3909.27 cw(c4660,3878.54) U4.dot@4660,3922 ; 4629.27,3909.27 ccw(c4598.54,3940) U4.dot@4642,3940 ; 4629.27,3909.27 cw(c4660,3878.54) U4.dot@4660,3922